# KiCad board leafony-az01c-panelized.kicad_pcb (continued)
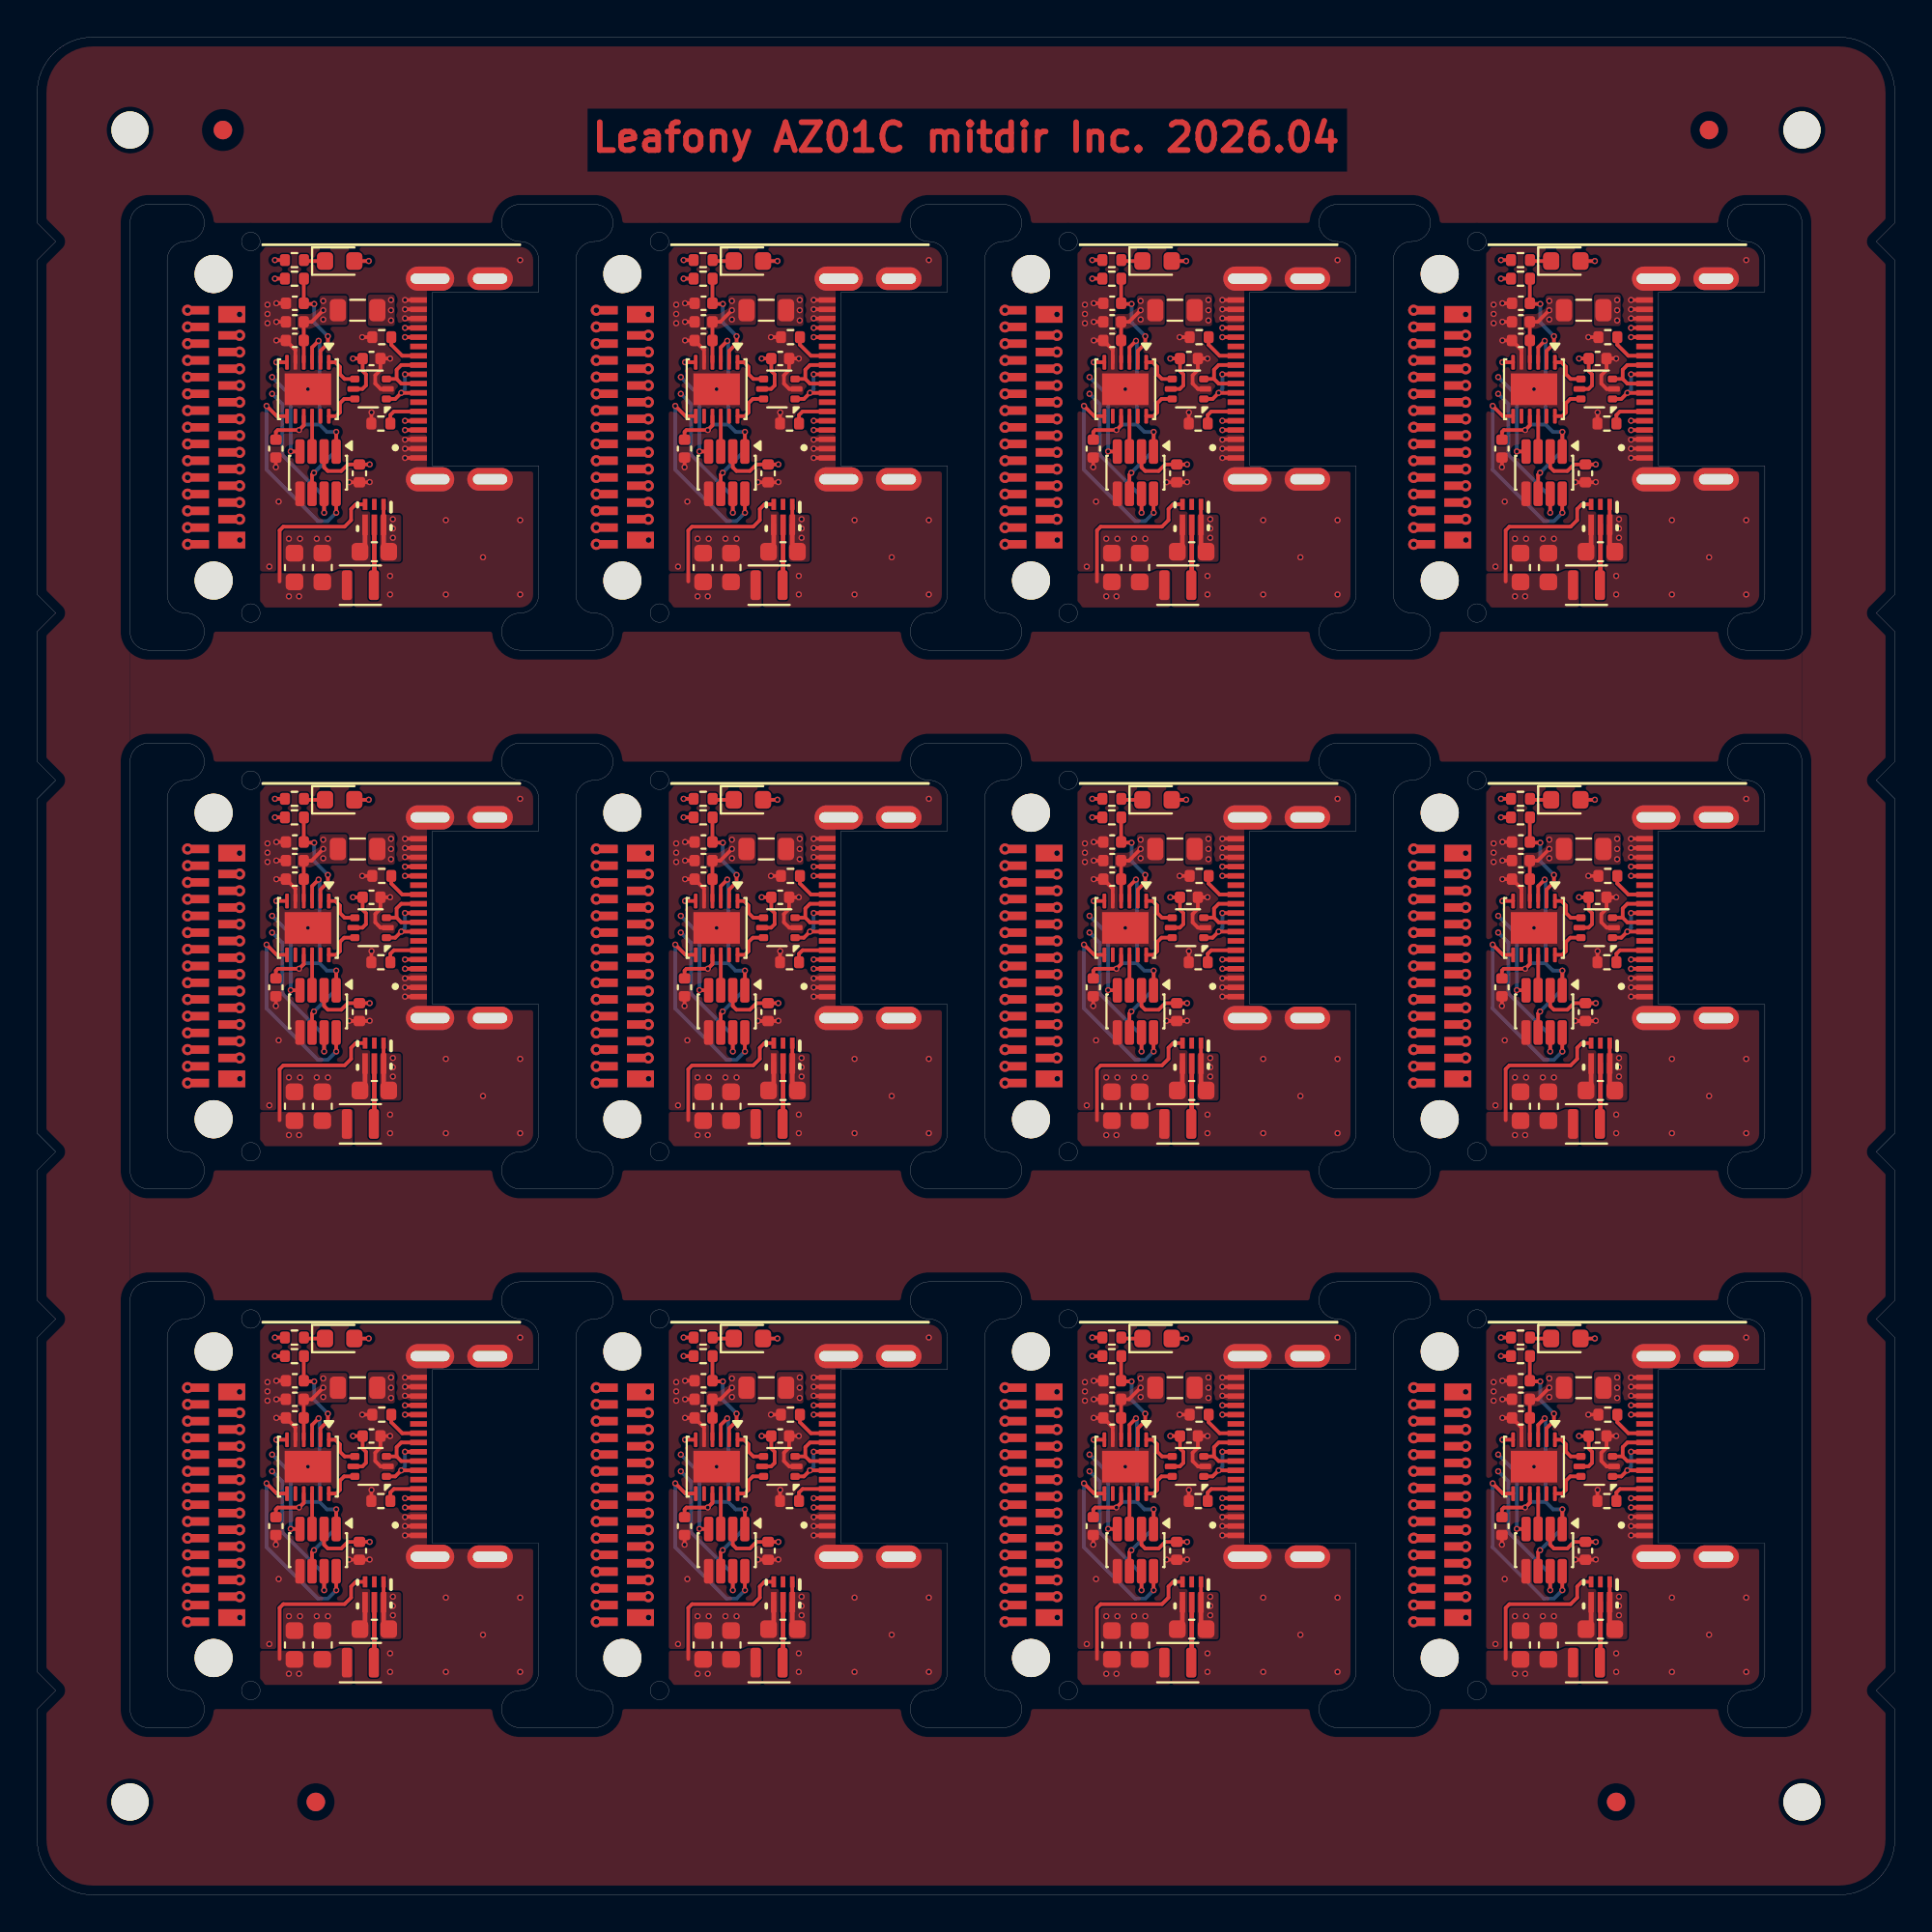
[diagram p0: board, top side]
## Placement (name value [footprint] x y rotation side) (continued)
FB1#2  600 Ohms @ 100 MHz  [L_0805_2012Metric]  39.25 56.3 180 top
FB1#3  600 Ohms @ 100 MHz  [L_0805_2012Metric]  83.25 85.3 180 top
FB1#4  600 Ohms @ 100 MHz  [L_0805_2012Metric]  17.25 27.3 180 top
FB1#5  600 Ohms @ 100 MHz  [L_0805_2012Metric]  61.25 27.3 180 top
FB1#6  600 Ohms @ 100 MHz  [L_0805_2012Metric]  17.25 85.3 180 top
FB1#7  600 Ohms @ 100 MHz  [L_0805_2012Metric]  17.25 56.3 180 top
FB1#8  600 Ohms @ 100 MHz  [L_0805_2012Metric]  83.25 27.3 180 top
FB1#9  600 Ohms @ 100 MHz  [L_0805_2012Metric]  83.25 56.3 180 top
FB1#10  600 Ohms @ 100 MHz  [L_0805_2012Metric]  39.25 27.3 180 top
FB1#11  600 Ohms @ 100 MHz  [L_0805_2012Metric]  61.25 85.3 180 top
FB1#12  600 Ohms @ 100 MHz  [L_0805_2012Metric]  61.25 56.3 180 top
J1  CX90M-16P  [HRS_CX90M-16P]  24.38 23.6 90 top
J1#2  CX90M-16P  [HRS_CX90M-16P]  90.38 23.6 90 top
J1#3  CX90M-16P  [HRS_CX90M-16P]  90.38 81.6 90 top
J1#4  CX90M-16P  [HRS_CX90M-16P]  24.38 52.6 90 top
J1#5  CX90M-16P  [HRS_CX90M-16P]  68.38 81.6 90 top
J1#6  CX90M-16P  [HRS_CX90M-16P]  90.38 52.6 90 top
J1#7  CX90M-16P  [HRS_CX90M-16P]  46.38 52.6 90 top
J1#8  CX90M-16P  [HRS_CX90M-16P]  68.38 52.6 90 top
J1#9  CX90M-16P  [HRS_CX90M-16P]  24.38 81.6 90 top
J1#10  CX90M-16P  [HRS_CX90M-16P]  46.38 81.6 90 top
J1#11  CX90M-16P  [HRS_CX90M-16P]  46.38 23.6 90 top
J1#12  CX90M-16P  [HRS_CX90M-16P]  68.38 23.6 90 top
L1  0.47uH(M) 3.6A  [L_Murata_DFE201610P]  83.4 12.5 180 top
L1#2  0.47uH(M) 3.6A  [L_Murata_DFE201610P]  83.4 70.5 180 top
L1#3  0.47uH(M) 3.6A  [L_Murata_DFE201610P]  17.4 41.5 180 top
L1#4  0.47uH(M) 3.6A  [L_Murata_DFE201610P]  17.4 12.5 180 top
L1#5  0.47uH(M) 3.6A  [L_Murata_DFE201610P]  39.4 70.5 180 top
L1#6  0.47uH(M) 3.6A  [L_Murata_DFE201610P]  39.4 12.5 180 top
L1#7  0.47uH(M) 3.6A  [L_Murata_DFE201610P]  39.4 41.5 180 top
L1#8  0.47uH(M) 3.6A  [L_Murata_DFE201610P]  61.4 41.5 180 top
L1#9  0.47uH(M) 3.6A  [L_Murata_DFE201610P]  83.4 41.5 180 top
L1#10  0.47uH(M) 3.6A  [L_Murata_DFE201610P]  61.4 12.5 180 top
L1#11  0.47uH(M) 3.6A  [L_Murata_DFE201610P]  61.4 70.5 180 top
L1#12  0.47uH(M) 3.6A  [L_Murata_DFE201610P]  17.4 70.5 180 top
R1  10k(J)  [R_0402_1005Metric]  79.85 87 0 top
R1#2  10k(J)  [R_0402_1005Metric]  79.85 58 0 top
R1#3  10k(J)  [R_0402_1005Metric]  57.85 87 0 top
R1#4  10k(J)  [R_0402_1005Metric]  35.85 87 0 top
R1#5  10k(J)  [R_0402_1005Metric]  79.85 29 0 top
R1#6  10k(J)  [R_0402_1005Metric]  35.85 58 0 top
R1#7  10k(J)  [R_0402_1005Metric]  57.85 58 0 top
R1#8  10k(J)  [R_0402_1005Metric]  13.85 29 0 top
R1#9  10k(J)  [R_0402_1005Metric]  57.85 29 0 top
R1#10  10k(J)  [R_0402_1005Metric]  13.85 58 0 top
R1#11  10k(J)  [R_0402_1005Metric]  13.85 87 0 top
R1#12  10k(J)  [R_0402_1005Metric]  35.85 29 0 top
R2  270R(J)  [R_0402_1005Metric]  13.85 88 180 top
R2#2  270R(J)  [R_0402_1005Metric]  13.85 30 180 top
R2#3  270R(J)  [R_0402_1005Metric]  79.85 59 180 top
R2#4  270R(J)  [R_0402_1005Metric]  35.85 59 180 top
R2#5  270R(J)  [R_0402_1005Metric]  57.85 88 180 top
R2#6  270R(J)  [R_0402_1005Metric]  57.85 30 180 top
R2#7  270R(J)  [R_0402_1005Metric]  79.85 88 180 top
R2#8  270R(J)  [R_0402_1005Metric]  13.85 59 180 top
R2#9  270R(J)  [R_0402_1005Metric]  35.85 88 180 top
R2#10  270R(J)  [R_0402_1005Metric]  79.85 30 180 top
R2#11  270R(J)  [R_0402_1005Metric]  57.85 59 180 top
R2#12  270R(J)  [R_0402_1005Metric]  35.85 30 180 top
R3  5.1k(J)  [R_0402_1005Metric]  84.5 50.2 0 top
R3#2  5.1k(J)  [R_0402_1005Metric]  40.5 79.2 0 top
R3#3  5.1k(J)  [R_0402_1005Metric]  18.5 50.2 0 top
R3#4  5.1k(J)  [R_0402_1005Metric]  62.5 50.2 0 top
R3#5  5.1k(J)  [R_0402_1005Metric]  62.5 79.2 0 top
R3#6  5.1k(J)  [R_0402_1005Metric]  40.5 50.2 0 top
R3#7  5.1k(J)  [R_0402_1005Metric]  84.5 79.2 0 top
R3#8  5.1k(J)  [R_0402_1005Metric]  40.5 21.2 0 top
R3#9  5.1k(J)  [R_0402_1005Metric]  18.5 79.2 0 top
R3#10  5.1k(J)  [R_0402_1005Metric]  84.5 21.2 0 top
R3#11  5.1k(J)  [R_0402_1005Metric]  62.5 21.2 0 top
R3#12  5.1k(J)  [R_0402_1005Metric]  18.5 21.2 0 top
R4  5.1k(J)  [R_0402_1005Metric]  62.55 83.85 180 top
R4#2  5.1k(J)  [R_0402_1005Metric]  40.55 54.85 180 top
R4#3  5.1k(J)  [R_0402_1005Metric]  84.55 54.85 180 top
R4#4  5.1k(J)  [R_0402_1005Metric]  62.55 25.85 180 top
R4#5  5.1k(J)  [R_0402_1005Metric]  84.55 25.85 180 top
R4#6  5.1k(J)  [R_0402_1005Metric]  62.55 54.85 180 top
R4#7  5.1k(J)  [R_0402_1005Metric]  84.55 83.85 180 top
R4#8  5.1k(J)  [R_0402_1005Metric]  18.55 83.85 180 top
R4#9  5.1k(J)  [R_0402_1005Metric]  40.55 25.85 180 top
R4#10  5.1k(J)  [R_0402_1005Metric]  18.55 54.85 180 top
R4#11  5.1k(J)  [R_0402_1005Metric]  40.55 83.85 180 top
R4#12  5.1k(J)  [R_0402_1005Metric]  18.55 25.85 180 top
REF**  -  [MountingHole_2mm]  5 95 0 top
REF**#2  -  [Fiducial_1mm_Mask2mm]  90 95 180 top
REF**#3  -  [MountingHole_2mm]  5 5 0 top
REF**#4  -  [Fiducial_1mm_Mask2mm]  10 95 0 top
REF**#5  -  [Fiducial_0.75mm_Mask2.25mm]  10 95 0 top
REF**#6  -  [Fiducial_1mm_Mask2mm]  85 5 180 top
REF**#7  -  [MountingHole_2mm]  95 5 180 top
REF**#8  -  [Fiducial_1mm_Mask2mm]  15 5 0 top
REF**#9  -  [MountingHole_2mm]  95 95 180 top
REF**#10  -  [Fiducial_1mm_Mask2mm]  10 95 180 bottom
REF**#11  -  [Fiducial_1mm_Mask2mm]  15 5 180 bottom
REF**#12  -  [Fiducial_1mm_Mask2mm]  90 95 0 bottom
REF**#13  -  [Fiducial_1mm_Mask2mm]  85 5 0 bottom
REF**#14  -  [Fiducial_0.75mm_Mask2.25mm]  10 95 180 bottom
U1  TS3A4751RUCR  [SOT-23-8]  81.12 18.56 270 top
U1#2  TS3A4751RUCR  [SOT-23-8]  37.12 76.56 270 top
U1#3  TS3A4751RUCR  [SOT-23-8]  15.12 18.56 270 top
U1#4  TS3A4751RUCR  [SOT-23-8]  37.12 47.56 270 top
U1#5  TS3A4751RUCR  [SOT-23-8]  81.12 76.56 270 top
U1#6  TS3A4751RUCR  [SOT-23-8]  59.12 18.56 270 top
U1#7  TS3A4751RUCR  [SOT-23-8]  59.12 47.56 270 top
U1#8  TS3A4751RUCR  [SOT-23-8]  59.12 76.56 270 top
U1#9  TS3A4751RUCR  [SOT-23-8]  15.12 76.56 270 top
U1#10  TS3A4751RUCR  [SOT-23-8]  37.12 18.56 270 top
U1#11  TS3A4751RUCR  [SOT-23-8]  15.12 47.56 270 top
U1#12  TS3A4751RUCR  [SOT-23-8]  81.12 47.56 270 top
U2  USBLC6-2P6  [SOT-666]  83.95 52.06 180 top
U2#2  USBLC6-2P6  [SOT-666]  39.95 81.06 180 top
U2#3  USBLC6-2P6  [SOT-666]  17.95 52.06 180 top
U2#4  USBLC6-2P6  [SOT-666]  61.95 52.06 180 top
U2#5  USBLC6-2P6  [SOT-666]  61.95 81.06 180 top
U2#6  USBLC6-2P6  [SOT-666]  39.95 23.06 180 top
U2#7  USBLC6-2P6  [SOT-666]  17.95 23.06 180 top
U2#8  USBLC6-2P6  [SOT-666]  83.95 81.06 180 top
U2#9  USBLC6-2P6  [SOT-666]  17.95 81.06 180 top
U2#10  USBLC6-2P6  [SOT-666]  61.95 23.06 180 top
U2#11  USBLC6-2P6  [SOT-666]  83.95 23.06 180 top
U2#12  USBLC6-2P6  [SOT-666]  39.95 52.06 180 top
U3  FT234XD  [WDFN-12-1EP_3x3mm_P0.45mm_EP1.7x2.5mm]  80.58 52.05 270 top
U3#2  FT234XD  [WDFN-12-1EP_3x3mm_P0.45mm_EP1.7x2.5mm]  14.58 23.05 270 top
U3#3  FT234XD  [WDFN-12-1EP_3x3mm_P0.45mm_EP1.7x2.5mm]  36.58 23.05 270 top
U3#4  FT234XD  [WDFN-12-1EP_3x3mm_P0.45mm_EP1.7x2.5mm]  58.58 81.05 270 top
U3#5  FT234XD  [WDFN-12-1EP_3x3mm_P0.45mm_EP1.7x2.5mm]  14.58 81.05 270 top
U3#6  FT234XD  [WDFN-12-1EP_3x3mm_P0.45mm_EP1.7x2.5mm]  80.58 23.05 270 top
U3#7  FT234XD  [WDFN-12-1EP_3x3mm_P0.45mm_EP1.7x2.5mm]  58.58 52.05 270 top
U3#8  FT234XD  [WDFN-12-1EP_3x3mm_P0.45mm_EP1.7x2.5mm]  36.58 52.05 270 top
U3#9  FT234XD  [WDFN-12-1EP_3x3mm_P0.45mm_EP1.7x2.5mm]  58.58 23.05 270 top
U3#10  FT234XD  [WDFN-12-1EP_3x3mm_P0.45mm_EP1.7x2.5mm]  36.58 81.05 270 top
U3#11  FT234XD  [WDFN-12-1EP_3x3mm_P0.45mm_EP1.7x2.5mm]  80.58 81.05 270 top
U3#12  FT234XD  [WDFN-12-1EP_3x3mm_P0.45mm_EP1.7x2.5mm]  14.58 52.05 270 top
U4  TPS6282533DMQR  [DMQ0006A]  40.15 74.2 270 top
U4#2  TPS6282533DMQR  [DMQ0006A]  18.15 45.2 270 top
U4#3  TPS6282533DMQR  [DMQ0006A]  40.15 45.2 270 top
U4#4  TPS6282533DMQR  [DMQ0006A]  18.15 74.2 270 top
U4#5  TPS6282533DMQR  [DMQ0006A]  84.15 74.2 270 top
U4#6  TPS6282533DMQR  [DMQ0006A]  84.15 16.2 270 top
U4#7  TPS6282533DMQR  [DMQ0006A]  18.15 16.2 270 top
U4#8  TPS6282533DMQR  [DMQ0006A]  84.15 45.2 270 top
U4#9  TPS6282533DMQR  [DMQ0006A]  62.15 45.2 270 top
U4#10  TPS6282533DMQR  [DMQ0006A]  62.15 74.2 270 top
U4#11  TPS6282533DMQR  [DMQ0006A]  40.15 16.2 270 top
U4#12  TPS6282533DMQR  [DMQ0006A]  62.15 16.2 270 top

## Library data of the parts
C1 C1#2-C1#12 C2 C2#2-C2#12 C4 C4#2-C4#12 C5 C5#2-C5#12 = -: Datasheet: https://yageogroup.com/content/datasheet/asset/file/UPY-GPHC_X5R_4V-TO-50V; Description: CAP CER 0.1UF 50V X5R 0402; MPN: CC0402KRX5R9BB104; MANUFACTURER: YAGEO
C3 C3#2-C3#12 = -: Datasheet: https://yageogroup.com/content/datasheet/asset/file/UPY-GPHC_X5R_4V-TO-50V; Description: CAP CER 4.7UF 6.3V X5R 0402; MPN: CC0402MRX5R5BB475; MANUFACTURER: YAGEO
C6 C6#2-C6#12 = -: Datasheet: https://yageogroup.com/content/datasheet/asset/file/UPY-GPHC_X7R_6.3V-TO-50V; Description: CAP CER 10000PF 50V X7R 0402; MPN: CC0402KRX7R9BB103; MANUFACTURER: YAGEO
C7 C7#2-C7#12 = -: Datasheet: https://yageogroup.com/content/datasheet/asset/file/UPY-GPHC_X5R_4V-TO-50V; Description: CAP CER 4.7UF 10V X5R 0603; Model No: JMK107BB7475MA-T; MANUFACTURER: YAGEO; MPN: CC0603KRX5R6BB475
C8 C8#2-C8#12 = -: Datasheet: https://yageogroup.com/content/datasheet/asset/file/UPY-GPHC_X5R_4V-TO-50V; Description: CAP CER 10UF 10V X5R 0603; Model No: GRM188Z71A106MA73D; MANUFACTURER: YAGEO; MPN: CC0603MRX5R6BB106
C9 C9#2-C9#12 = -: Datasheet: https://yageogroup.com/content/datasheet/asset/file/UPY-GPHC_X5R_4V-TO-50V; Description: CAP CER 10UF 10V X5R 0603; MPN: CC0603MRX5R6BB106; MANUFACTURER: YAGEO
D1 D1#2-D1#12 = -: Datasheet: https://www.rohm.com/products/led/chip-leds-mono-color-type/standard/sml-d14vw_a_-product; Description: LED RED CLEAR CHIP 0603; Sim.Pin: 1=K 2=A; MPN: SML-D14VWT86AAS; MANUFACTURER: ROHM
FB1 FB1#2-FB1#12 = -: Datasheet: https://www.laird.com/document/datasheet/mi0805k601r-10-datasheet; Description: Ferrite bead, small symbol; MPN: MI0805K601R-10; MANUFACTURER: Laird
J1 J1#2-J1#12 = -: Datasheet: https://www.hirose.com/product/document?clcode=CL0480-0522-0-00&productname=CX60-SLDA&series=CX&documenttype=Catalog&lang=en&documentid=D52488_en; Description: CONN RCP USB3.2 TYP C 24P BRD ED; PARTREV: 2; STANDARD: Manufacturer Recommendations; MAXIMUM_PACKAGE_HEIGHT: 1.70 mm; MANUFACTURER: Hirose
L1 L1#2-L1#12 = -: Datasheet: https://search.murata.co.jp/Ceramy/image/img/P02/J(E)TE243A-0001.pdf; Description: IND 470NH 3.6A 32MOHM SHIELDED 0806; MPN: DFE201610E-R47M; MANUFACTURER: Murata Electronics
R1 R1#2-R1#12 = -: Datasheet: https://yageogroup.com/content/datasheet/asset/file/PYU-RC_GROUP_51_ROHS_L; Description: RES 10K OHM 5% 1/16W 0402; MPN: RC0402JR-0710KL; MANUFACTURER: YAGEO
R2 R2#2-R2#12 = -: Datasheet: https://yageogroup.com/content/datasheet/asset/file/PYU-RC_GROUP_51_ROHS_L; Description: RES 270 OHM 5% 1/16W 0402; MPN: RC0402JR-07270RL; MANUFACTURER: YAGEO
R3 R3#2-R3#12 R4 R4#2-R4#12 = -: Datasheet: https://yageogroup.com/content/datasheet/asset/file/PYU-RC_GROUP_51_ROHS_L; Description: RES 5.1K OHM 5% 1/16W 0402; MPN: RC0402JR-075K1L; MANUFACTURER: YAGEO
U1 U1#2-U1#12 = -: Datasheet: https://www.ti.com/lit/gpn/ts3a4741; MANUFACTURER: Texas Instruments
U2 U2#2-U2#12 = -: Datasheet: https://www.st.com/resource/en/datasheet/usblc6-2.pdf; Description: Very low capacitance ESD protection diode, 2 data-line, SOT-666; MANUFACTURER: STMicroelectronics
U3 U3#2-U3#12 = -: Datasheet: https://ftdichip.com/wp-content/uploads/2024/05/DS_FT234XD.pdf; Description: Full Speed USB to Basic UART, WDFN-12; MANUFACTURER: FTDI
U4 U4#2-U4#12 = -: Datasheet: https://www.ti.com/lit/gpn/tps62825; Description: バック スイッチングレギュレータ IC ポジティブ 固定 3.3V 1 出力 2A 6-VFDFN; MANUFACTURER: Texas Instruments

## Footprints (pads in the part's own frame, mm; a bottom-side part is the same pattern mirrored in y, then rotated)
C_0402_1005Metric
  rrect 0.56x0.62 smd: 1(-0.48,0) 2(0.48,0)
C_0603_1608Metric
  rrect 0.9x0.95 smd: 1(-0.775,0) 2(0.775,0)
CN_F29_B29
  round 2.05 hole 2.05 unplated: (-2.175,0.975) (14.325,0.975)
  rect 0.9x1.45 smd far side: B1(0,0) B27(12.15,0)
  custom 0.6x1.45 smd far side: B2(-0.225,1.8) B3(1.125,0.15) B4(0.675,1.8) B5(2.025,0.15) B6(1.575,1.8) B7(2.925,0.15) B8(2.475,1.8) B9(3.825,0.15) B10(3.375,1.8) B11(4.725,0.15) B12(4.275,1.8) B13(5.625,0.15) B14(5.175,1.8) B15(6.525,0.15) B16(6.075,1.8) B17(7.425,0.15) B18(6.975,1.8) B19(8.325,0.15) B20(7.875,1.8) B21(9.225,0.15) B22(8.775,1.8) B23(10.125,0.15) B24(9.675,1.8) B25(11.025,0.15) B26(10.575,1.8) B28(11.475,1.8) B29(12.375,1.8)
  rect 0.9x1.45 smd: F1(0,0) F27(12.15,0)
  custom 0.6x1.45 smd: F2(-0.225,1.8) F3(1.125,0.15) F4(0.675,1.8) F5(2.025,0.15) F6(1.575,1.8) F7(2.925,0.15) F8(2.475,1.8) F9(3.825,0.15) F10(3.375,1.8) F11(4.725,0.15) F12(4.275,1.8) F13(5.625,0.15) F14(5.175,1.8) F15(6.525,0.15) F16(6.075,1.8) F17(7.425,0.15) F18(6.975,1.8) F19(8.325,0.15) F20(7.875,1.8) F21(9.225,0.15) F22(8.775,1.8) F23(10.125,0.15) F24(9.675,1.8) F25(11.025,0.15) F26(10.575,1.8) F28(11.475,1.8) F29(12.375,1.8)
DMQ0006A
  rect 0.6x0.25 smd: 1(-0.65,0.5) 2(-0.65,0) 3(-0.65,-0.5)
  rect 1.1x0.3 smd: 4(0.45,-0.5) 5(0.45,0) 6(0.45,0.5)
Fiducial_0.75mm_Mask2.25mm
  round 0.75 smd: (0,0)
Fiducial_1mm_Mask2mm
  round 1 smd: (0,0)
HRS_CX90M-16P
  rect 0.3x0.9 smd: A1(-3.75,3.85) A4(-2.75,3.85) A5(-1.75,3.85) A6(-0.75,3.85) A7(0.75,3.85) A8(1.75,3.85) A9(2.75,3.85) A12(3.75,3.85) B1(3.25,3.85) B4(2.25,3.85) B5(1.25,3.85) B6(0.25,3.85) B7(-0.25,3.85) B8(-1.25,3.85) B9(-2.25,3.85) B12(-3.25,3.85) MID1(-4.25,3.85) MID2(4.25,3.85)
  oval 1.3x2.6 hole 0.55x2.1: S1(-5.4,3.23) S2(5.4,3.23)
  oval 1.225x2.45 hole 0.55x1.85: S3(-5.4,0) S4(5.4,0)
L_0805_2012Metric
  rrect 0.875x1.2 smd: 1(-1.062,0) 2(1.062,0)
L_Murata_DFE201610P
  rrect 0.55x1.6 smd: 1(-0.725,0) 2(0.725,0)
LED_0603_1608Metric
  rrect 0.875x0.95 smd: 1(-0.787,0) 2(0.787,0)
MountingHole_2mm
  round 2 hole 2 unplated: (0,0)
R_0402_1005Metric
  rrect 0.54x0.64 smd: 1(-0.51,0) 2(0.51,0)
SOT-23-8
  rrect 1.325x0.5 smd: 1(-1.137,0.975) 2(-1.137,0.325) 3(-1.137,-0.325) 4(-1.137,-0.975) 5(1.137,-0.975) 6(1.137,-0.325) 7(1.137,0.325) 8(1.137,0.975)
SOT-666
  rrect 0.5x0.375 smd: 1(-0.85,0.537) 3(-0.85,-0.537) 4(0.85,-0.537) 6(0.85,0.537)
  rrect 0.65x0.3 smd: 2(-0.925,0) 5(0.925,0)
WDFN-12-1EP_3x3mm_P0.45mm_EP1.7x2.5mm
  rrect 0.69x1.01 smd: (-0.425,0.625) (-0.425,-0.625) (0.425,0.625) (0.425,-0.625)
  rrect 0.8x0.2 smd: 1(-1.45,1.125) 2(-1.45,0.675) 3(-1.45,0.225) 4(-1.45,-0.225) 5(-1.45,-0.675) 6(-1.45,-1.125) 7(1.45,-1.125) 8(1.45,-0.675) 9(1.45,-0.225) 10(1.45,0.225) 11(1.45,0.675) 12(1.45,1.125)
  rect 1.7x2.5 smd: 13(0,0)

## Nets
+3V3: C4.2 C4#2.2 C4#3.2 C4#4.2 C4#5.2 C4#6.2 C4#7.2 C4#8.2 C4#9.2 C4#10.2 C4#11.2 C4#12.2 C8.1 C8#2.1 C8#3.1 C8#4.1 C8#5.1 C8#6.1 C8#7.1 C8#8.1 C8#9.1 C8#10.1 C8#11.1 C8#12.1 C9.1 C9#2.1 C9#3.1 C9#4.1 C9#5.1 C9#6.1 C9#7.1 C9#8.1 C9#9.1 C9#10.1 C9#11.1 C9#12.1 CN1.B1 CN1.F1 CN1#2.B1 CN1#2.F1 CN1#3.B1 CN1#3.F1 CN1#4.B1 CN1#4.F1 CN1#5.B1 CN1#5.F1 CN1#6.B1 CN1#6.F1 CN1#7.B1 CN1#7.F1 CN1#8.B1 CN1#8.F1 CN1#9.B1 CN1#9.F1 CN1#10.B1 CN1#10.F1 CN1#11.B1 CN1#11.F1 CN1#12.B1 CN1#12.F1 L1.2 L1#2.2 L1#3.2 L1#4.2 L1#5.2 L1#6.2 L1#7.2 L1#8.2 L1#9.2 L1#10.2 L1#11.2 L1#12.2 U1.2 U1#2.2 U1#3.2 U1#4.2 U1#5.2 U1#6.2 U1#7.2 U1#8.2 U1#9.2 U1#10.2 U1#11.2 U1#12.2 U4.3 U4#2.3 U4#3.3 U4#4.3 U4#5.3 U4#6.3 U4#7.3 U4#8.3 U4#9.3 U4#10.3 U4#11.3 U4#12.3
GND: C1.2 C1#2.2 C1#3.2 C1#4.2 C1#5.2 C1#6.2 C1#7.2 C1#8.2 C1#9.2 C1#10.2 C1#11.2 C1#12.2 C2.2 C2#2.2 C2#3.2 C2#4.2 C2#5.2 C2#6.2 C2#7.2 C2#8.2 C2#9.2 C2#10.2 C2#11.2 C2#12.2 C3.1 C3#2.1 C3#3.1 C3#4.1 C3#5.1 C3#6.1 C3#7.1 C3#8.1 C3#9.1 C3#10.1 C3#11.1 C3#12.1 C4.1 C4#2.1 C4#3.1 C4#4.1 C4#5.1 C4#6.1 C4#7.1 C4#8.1 C4#9.1 C4#10.1 C4#11.1 C4#12.1 C5.1 C5#2.1 C5#3.1 C5#4.1 C5#5.1 C5#6.1 C5#7.1 C5#8.1 C5#9.1 C5#10.1 C5#11.1 C5#12.1 C6.1 C6#2.1 C6#3.1 C6#4.1 C6#5.1 C6#6.1 C6#7.1 C6#8.1 C6#9.1 C6#10.1 C6#11.1 C6#12.1 C7.2 C7#2.2 C7#3.2 C7#4.2 C7#5.2 C7#6.2 C7#7.2 C7#8.2 C7#9.2 C7#10.2 C7#11.2 C7#12.2 C8.2 C8#2.2 C8#3.2 C8#4.2 C8#5.2 C8#6.2 C8#7.2 C8#8.2 C8#9.2 C8#10.2 C8#11.2 C8#12.2 C9.2 C9#2.2 C9#3.2 C9#4.2 C9#5.2 C9#6.2 C9#7.2 C9#8.2 C9#9.2 C9#10.2 C9#11.2 C9#12.2 CN1.B27 CN1.F27 CN1#2.B27 CN1#2.F27 CN1#3.B27 CN1#3.F27 CN1#4.B27 CN1#4.F27 CN1#5.B27 CN1#5.F27 CN1#6.B27 CN1#6.F27 CN1#7.B27 CN1#7.F27 CN1#8.B27 CN1#8.F27 CN1#9.B27 CN1#9.F27 CN1#10.B27 CN1#10.F27 CN1#11.B27 CN1#11.F27 CN1#12.B27 CN1#12.F27 J1.A1 J1.A12 J1.B1 J1.B12 J1.MID1 J1.MID2 J1.S1 J1.S2 J1.S3 J1.S4 J1#2.A1 J1#2.A12 J1#2.B1 J1#2.B12 J1#2.MID1 J1#2.MID2 J1#2.S1 J1#2.S2 J1#2.S3 J1#2.S4 J1#3.A1 J1#3.A12 J1#3.B1 J1#3.B12 J1#3.MID1 J1#3.MID2 J1#3.S1 J1#3.S2 J1#3.S3 J1#3.S4 J1#4.A1 J1#4.A12 J1#4.B1 J1#4.B12 J1#4.MID1 J1#4.MID2 J1#4.S1 J1#4.S2 J1#4.S3 J1#4.S4 J1#5.A1 J1#5.A12 J1#5.B1 J1#5.B12 J1#5.MID1 J1#5.MID2 J1#5.S1 J1#5.S2 J1#5.S3 J1#5.S4 J1#6.A1 J1#6.A12 J1#6.B1 J1#6.B12 J1#6.MID1 J1#6.MID2 J1#6.S1 J1#6.S2 J1#6.S3 J1#6.S4 J1#7.A1 J1#7.A12 J1#7.B1 J1#7.B12 J1#7.MID1 J1#7.MID2 J1#7.S1 J1#7.S2 J1#7.S3 J1#7.S4 J1#8.A1 J1#8.A12 J1#8.B1 J1#8.B12 J1#8.MID1 J1#8.MID2 J1#8.S1 J1#8.S2 J1#8.S3 J1#8.S4 J1#9.A1 J1#9.A12 J1#9.B1 J1#9.B12 J1#9.MID1 J1#9.MID2 J1#9.S1 J1#9.S2 J1#9.S3 J1#9.S4 J1#10.A1 J1#10.A12 J1#10.B1 J1#10.B12 J1#10.MID1 J1#10.MID2 J1#10.S1 J1#10.S2 J1#10.S3 J1#10.S4 J1#11.A1 J1#11.A12 J1#11.B1 J1#11.B12 J1#11.MID1 J1#11.MID2 J1#11.S1 J1#11.S2 J1#11.S3 J1#11.S4 J1#12.A1 J1#12.A12 J1#12.B1 J1#12.B12 J1#12.MID1 J1#12.MID2 J1#12.S1 J1#12.S2 J1#12.S3 J1#12.S4 R3.1 R3#2.1 R3#3.1 R3#4.1 R3#5.1 R3#6.1 R3#7.1 R3#8.1 R3#9.1 R3#10.1 R3#11.1 R3#12.1 R4.2 R4#2.2 R4#3.2 R4#4.2 R4#5.2 R4#6.2 R4#7.2 R4#8.2 R4#9.2 R4#10.2 R4#11.2 R4#12.2 U1.5 U1#2.5 U1#3.5 U1#4.5 U1#5.5 U1#6.5 U1#7.5 U1#8.5 U1#9.5 U1#10.5 U1#11.5 U1#12.5 U2.2 U2#2.2 U2#3.2 U2#4.2 U2#5.2 U2#6.2 U2#7.2 U2#8.2 U2#9.2 U2#10.2 U2#11.2 U2#12.2 U3.5 U3.13 U3#2.5 U3#2.13 U3#3.5 U3#3.13 U3#4.5 U3#4.13 U3#5.5 U3#5.13 U3#6.5 U3#6.13 U3#7.5 U3#7.13 U3#8.5 U3#8.13 U3#9.5 U3#9.13 U3#10.5 U3#10.13 U3#11.5 U3#11.13 U3#12.5 U3#12.13 U4.4 U4#2.4 U4#3.4 U4#4.4 U4#5.4 U4#6.4 U4#7.4 U4#8.4 U4#9.4 U4#10.4 U4#11.4 U4#12.4
P3V3-FT234: C1.1 C1#2.1 C1#3.1 C1#4.1 C1#5.1 C1#6.1 C1#7.1 C1#8.1 C1#9.1 C1#10.1 C1#11.1 C1#12.1 U1.1 U1.6 U1#2.1 U1#2.6 U1#3.1 U1#3.6 U1#4.1 U1#4.6 U1#5.1 U1#5.6 U1#6.1 U1#6.6 U1#7.1 U1#7.6 U1#8.1 U1#8.6 U1#9.1 U1#9.6 U1#10.1 U1#10.6 U1#11.1 U1#11.6 U1#12.1 U1#12.6 U3.3 U3.9 U3#2.3 U3#2.9 U3#3.3 U3#3.9 U3#4.3 U3#4.9 U3#5.3 U3#5.9 U3#6.3 U3#6.9 U3#7.3 U3#7.9 U3#8.3 U3#8.9 U3#9.3 U3#9.9 U3#10.3 U3#10.9 U3#11.3 U3#11.9 U3#12.3 U3#12.9
VBUS: C2.1 C2#2.1 C2#3.1 C2#4.1 C2#5.1 C2#6.1 C2#7.1 C2#8.1 C2#9.1 C2#10.1 C2#11.1 C2#12.1 C3.2 C3#2.2 C3#3.2 C3#4.2 C3#5.2 C3#6.2 C3#7.2 C3#8.2 C3#9.2 C3#10.2 C3#11.2 C3#12.2 C5.2 C5#2.2 C5#3.2 C5#4.2 C5#5.2 C5#6.2 C5#7.2 C5#8.2 C5#9.2 C5#10.2 C5#11.2 C5#12.2 C7.1 C7#2.1 C7#3.1 C7#4.1 C7#5.1 C7#6.1 C7#7.1 C7#8.1 C7#9.1 C7#10.1 C7#11.1 C7#12.1 CN1.B3 CN1.F3 CN1#2.B3 CN1#2.F3 CN1#3.B3 CN1#3.F3 CN1#4.B3 CN1#4.F3 CN1#5.B3 CN1#5.F3 CN1#6.B3 CN1#6.F3 CN1#7.B3 CN1#7.F3 CN1#8.B3 CN1#8.F3 CN1#9.B3 CN1#9.F3 CN1#10.B3 CN1#10.F3 CN1#11.B3 CN1#11.F3 CN1#12.B3 CN1#12.F3 D1.2 D1#2.2 D1#3.2 D1#4.2 D1#5.2 D1#6.2 D1#7.2 D1#8.2 D1#9.2 D1#10.2 D1#11.2 D1#12.2 FB1.2 FB1#2.2 FB1#3.2 FB1#4.2 FB1#5.2 FB1#6.2 FB1#7.2 FB1#8.2 FB1#9.2 FB1#10.2 FB1#11.2 FB1#12.2 R1.1 R1#2.1 R1#3.1 R1#4.1 R1#5.1 R1#6.1 R1#7.1 R1#8.1 R1#9.1 R1#10.1 R1#11.1 R1#12.1 U2.5 U2#2.5 U2#3.5 U2#4.5 U2#5.5 U2#6.5 U2#7.5 U2#8.5 U2#9.5 U2#10.5 U2#11.5 U2#12.5 U3.4 U3#2.4 U3#3.4 U3#4.4 U3#5.4 U3#6.4 U3#7.4 U3#8.4 U3#9.4 U3#10.4 U3#11.4 U3#12.4 U4.1 U4.6 U4#2.1 U4#2.6 U4#3.1 U4#3.6 U4#4.1 U4#4.6 U4#5.1 U4#5.6 U4#6.1 U4#6.6 U4#7.1 U4#7.6 U4#8.1 U4#8.6 U4#9.1 U4#9.6 U4#10.1 U4#10.6 U4#11.1 U4#11.6 U4#12.1 U4#12.6
/D0: CN1.B18 CN1.F18 CN1#2.B18 CN1#2.F18 CN1#3.B18 CN1#3.F18 CN1#4.B18 CN1#4.F18 CN1#5.B18 CN1#5.F18 CN1#6.B18 CN1#6.F18 CN1#7.B18 CN1#7.F18 CN1#8.B18 CN1#8.F18 CN1#9.B18 CN1#9.F18 CN1#10.B18 CN1#10.F18 CN1#11.B18 CN1#11.F18 CN1#12.B18 CN1#12.F18 U1.7 U1#2.7 U1#3.7 U1#4.7 U1#5.7 U1#6.7 U1#7.7 U1#8.7 U1#9.7 U1#10.7 U1#11.7 U1#12.7
/D1: CN1.B20 CN1.F20 CN1#2.B20 CN1#2.F20 CN1#3.B20 CN1#3.F20 CN1#4.B20 CN1#4.F20 CN1#5.B20 CN1#5.F20 CN1#6.B20 CN1#6.F20 CN1#7.B20 CN1#7.F20 CN1#8.B20 CN1#8.F20 CN1#9.B20 CN1#9.F20 CN1#10.B20 CN1#10.F20 CN1#11.B20 CN1#11.F20 CN1#12.B20 CN1#12.F20 U1.4 U1#2.4 U1#3.4 U1#4.4 U1#5.4 U1#6.4 U1#7.4 U1#8.4 U1#9.4 U1#10.4 U1#11.4 U1#12.4
/D+: J1.A6 J1.B6 J1#2.A6 J1#2.B6 J1#3.A6 J1#3.B6 J1#4.A6 J1#4.B6 J1#5.A6 J1#5.B6 J1#6.A6 J1#6.B6 J1#7.A6 J1#7.B6 J1#8.A6 J1#8.B6 J1#9.A6 J1#9.B6 J1#10.A6 J1#10.B6 J1#11.A6 J1#11.B6 J1#12.A6 J1#12.B6 U2.1 U2#2.1 U2#3.1 U2#4.1 U2#5.1 U2#6.1 U2#7.1 U2#8.1 U2#9.1 U2#10.1 U2#11.1 U2#12.1
/D-: J1.A7 J1.B7 J1#2.A7 J1#2.B7 J1#3.A7 J1#3.B7 J1#4.A7 J1#4.B7 J1#5.A7 J1#5.B7 J1#6.A7 J1#6.B7 J1#7.A7 J1#7.B7 J1#8.A7 J1#8.B7 J1#9.A7 J1#9.B7 J1#10.A7 J1#10.B7 J1#11.A7 J1#11.B7 J1#12.A7 J1#12.B7 U2.3 U2#2.3 U2#3.3 U2#4.3 U2#5.3 U2#6.3 U2#7.3 U2#8.3 U2#9.3 U2#10.3 U2#11.3 U2#12.3
Net-(CN1-A0-PadB6): CN1.B6 CN1.F6 CN1#2.B6 CN1#2.F6 CN1#3.B6 CN1#3.F6 CN1#4.B6 CN1#4.F6 CN1#5.B6 CN1#5.F6 CN1#6.B6 CN1#6.F6 CN1#7.B6 CN1#7.F6 CN1#8.B6 CN1#8.F6 CN1#9.B6 CN1#9.F6 CN1#10.B6 CN1#10.F6 CN1#11.B6 CN1#11.F6 CN1#12.B6 CN1#12.F6
Net-(CN1-A1-PadB8): CN1.B8 CN1.F8 CN1#2.B8 CN1#2.F8 CN1#3.B8 CN1#3.F8 CN1#4.B8 CN1#4.F8 CN1#5.B8 CN1#5.F8 CN1#6.B8 CN1#6.F8 CN1#7.B8 CN1#7.F8 CN1#8.B8 CN1#8.F8 CN1#9.B8 CN1#9.F8 CN1#10.B8 CN1#10.F8 CN1#11.B8 CN1#11.F8 CN1#12.B8 CN1#12.F8